# Altium PCB UAI.PcbDoc (part 1 of 2) (continued)
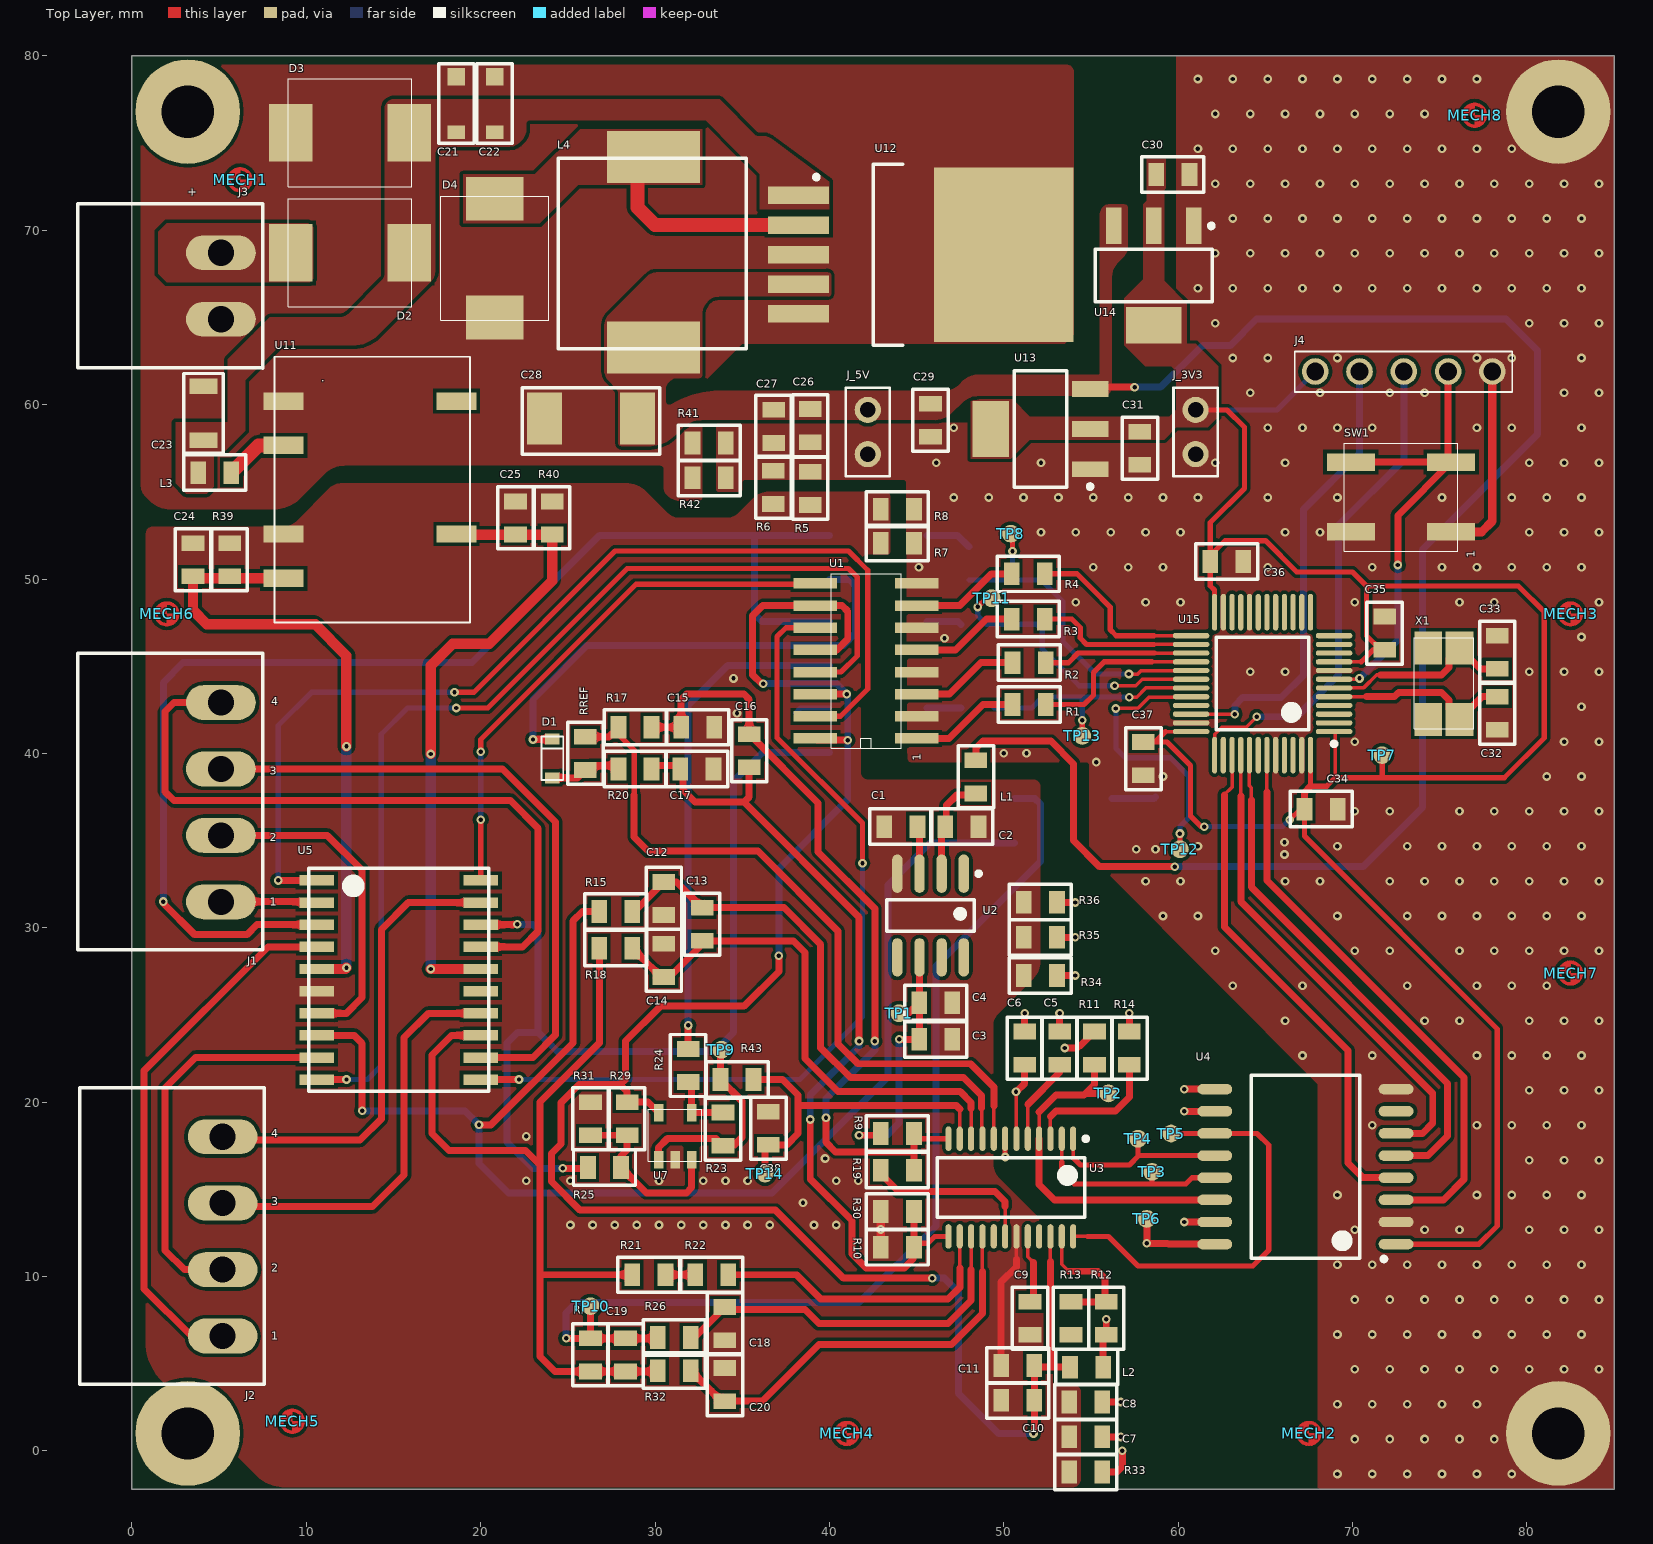
[diagram p0: Top Layer view]
## Part data (continued)
J1 J2: "Terminal Block 4 Pin"
J3: library part "Conn 2 Pin 3.81mm", "TERM BLOCK HDR 2POS R/A 3.81MM", Color=Green, Current - IEC=8A, Manufacturer="Phoenix Contact", Manufacturer Part Number=1803277, Operating Temperature=-, Supplier Part Number 1=277-1206-ND, Voltage - IEC=250V, Voltage - UL=300V, Category="Connectors, Interconnects", ComponentLink1Description=http://media.digikey.com/pdf/Data%20Sheets/Phoenix%20Contact%20PDFs/1803277.pdf, ComponentLink1URL=http://media.digikey.com/pdf/Data%20Sheets/Phoenix%20Contact%20PDFs/1803277.pdf, Contact Mating Finish=Tin, Current - UL=8A, Features=-, Header Orientation="90°, Right Angle", Mounting Type="Through Hole", Number of Levels=1, Number of Positions=2, Packaging=Bulk, Pitch="0.150\" (3.81mm)", Plug Wire Entry=-, Positions Per Level=2, Pricing 1="1=0.75, 10=0.716, 50=0.6844, 100=0.6658, 250=0.6222, 500=0.57242, 1000=0.5185, 2500=0.4941, 5000=0.4636 (USD)", RoHS="RoHS Compliant", Stock 1=4266, Supplier 1=Digi-Key, Termination Style=Solder, Type="Header, Male Pins, Shrouded (4 Side)", Wire Gauge or Range - AWG=-, Wire Gauge or Range - mm²=-
J4: library part "CON-Header 1X5 2.54MM", "Header 1X5 2.54"
J_3V3 J_5V: library part Jumper, "2 Pos. 2.54 mm Single Row Through Hole Straight Pin Header", Manufacturer="ADAM TECH", Distributor=Future, PartName=PH1-02-TA-HT, PartNum=PH1-02-TA-HT, Price="0.02 Euro", Price50="0.02 Euro", Price100="0.02 Euro", Price1000="0.02 Euro"
L1 L2: library part "L-220 Ohm,2A", Case/Package=0805, Case Code (Metric)=2012, Current Rating=2, Manufacturer=Murata, Manufacturer Part Number=BLM21PG221SN1D, Max Operating Temperature=125, Min Operating Temperature=-55, Package Quantity=1, Resistance=50, Supplier Part Number 1=490-1054-1-ND, Tolerance=25, Case Code (Imperial)=0805, Core Material=Ferrite, Height=0.85, Impedance="220 Ohms", Length=2, Max Current Rating=2, Mount="Surface Mount", Packaging="Tape and Reel", Pricing 1="1=0.11, 10=0.09, 50=0.0732, 100=0.0537, 250=0.0391, 500=0.0358, 1000=0.0309 (USD)", Radiation Hardening=No, REACH SVHC="No SVHC", Stock 1=423629, Supplier 1=Digikey, Width=1.25
L3: library part L-6.8UH,550mA,0805, "FIXED IND 6.8UH 550MA 250 MOHM", Current - Saturation=110mA, Current Rating=550mA, DC Resistance (DCR)="250 mOhm", Frequency - Self Resonant=60MHz, Frequency - Test=2MHz, Inductance=6.8µH, Manufacturer="TDK Corporation", Manufacturer Part Number=MLZ2012N6R8LT000, Operating Temperature="-55°C ~ 125°C", Package / Case="0805 (2012 Metric)", Q @ Freq=-, Supplier Part Number 1=445-6761-6-ND, Tolerance=±20%, Category="Inductors, Coils, Chokes", ComponentLink1Description=https://product.tdk.com/info/en/catalog/datasheets/inductor_commercial_decoupling_mlz2012_en.pdf, ComponentLink1URL=https://product.tdk.com/info/en/catalog/datasheets/inductor_commercial_decoupling_mlz2012_en.pdf, Height - Seated (Max)="0.057\" (1.45mm)", Material - Core=Ferrite, Mounting Type="Surface Mount", Packaging=Digi-Reel®, Part Status=Active, Pricing 1="1=0.14, 10=0.125, 50=0.0976, 100=0.0875, 500=0.075, 1000=0.065 (USD)", Ratings=-, RoHS="RoHS Compliant", Shielding=Shielded, Size / Dimension="0.079\" L x 0.049\" W (2.00mm x 1.25mm)", Stock 1=11951, Supplier 1=Digi-Key, Type=Multilayer
L4: "FIXED IND 33UH 2.5A 79 MOHM SMD", Current - Saturation=2.9A, Current Rating=2.5A, DC Resistance (DCR)="79 mOhm Max", Frequency - Self Resonant=11.1MHz, Frequency - Test=100kHz, Inductance=33µH, Manufacturer="Wurth Electronics Inc", Manufacturer Part Number=7447714330, Operating Temperature="-40°C ~ 125°C", Package / Case=Nonstandard, Q @ Freq=-, Supplier Part Number 1=732-2993-1-ND, Tolerance=±20%, Category="Inductors, Coils, Chokes", ComponentLink1Description=http://katalog.we-online.de/pbs/datasheet/7447714330.pdf, ComponentLink1URL=http://katalog.we-online.de/pbs/datasheet/7447714330.pdf, Height - Seated (Max)="0.197\" (5.00mm)", Material - Core=Ferrite, Mounting Type="Surface Mount", Packaging="Cut Tape (CT)", Pricing 1="1=2.76, 10=2.415, 50=2.2424, 100=2.1562, 250=2.07 (USD)", Ratings=-, RoHS="RoHS Compliant", Shielding=Shielded, Size / Dimension="0.394\" L x 0.394\" W (10.00mm x 10.00mm)", Stock 1=137, Supplier 1=Digi-Key, Type=Wirewound
MECH1 MECH2 MECH3 MECH4 MECH5 MECH6 MECH7 MECH8: "Fidicuals"
R1 R2 R3 R4: library part R-270R,0805, "TE CONNECTIVITY / NEOHM 270R Thin Film", Manufacturer="TE CONNECTIVITY / NEOHM", Manufacturer Part Number=CPF0805B270RE1, Operating Temperature Max=155, Operating Temperature Min=-55, Operating Temperature Range="-55°C to +155", Power Rating=100, Resistance="270 Ohms", Resistance Tolerance="± 0.1%", Resistor Case Style="0805 [2012 Metric]", Resistor Element Material="Thin Film", Resistor Mounting=SMD, Supplier Part Number 1=1697424, Temperature Coefficient="± 25", Voltage Rating=200, ComponentLink1Description=http://www.tycoelectronics.com/commerce/DocumentDelivery/DDEController?Action=srchrtrv&DocNm=1614884&DocType=Customer+Drawing&DocLang=English, ComponentLink1URL=http://www.tycoelectronics.com/commerce/DocumentDelivery/DDEController?Action=srchrtrv&DocNm=1614884&DocType=Customer+Drawing&DocLang=English, ComponentLink2Description=http://www.tycoelectronics.com/commerce/DocumentDelivery/DDEController?Action=srchrtrv&DocNm=1773200&DocType=Data+Sheet&DocLang=English, ComponentLink2URL=http://www.tycoelectronics.com/commerce/DocumentDelivery/DDEController?Action=srchrtrv&DocNm=1773200&DocType=Data+Sheet&DocLang=English, External Depth=0.5, External Length / Height=2, External Width=1.25, MSL=-, No. of Pins=2, Packaging="Cut Tape", Pricing 1="10=0,43, 50=0,34, 100=0,32, 500=0,27, 1000=0,24 (EUR)", Product Range="TE CONNECTIVITY - CPF Series", RoHS=YES, Series="CPF<!--FANDB--><div class=\"features-and-benefits-container\"></div>", Stock 1=755, Supplier 1=Farnell
R5 R6 R7 R8 R9 R10 R13 R14 R19 R21 R30 R33 R34 R35 R36 R41 R42: library part R-0R,0805, "BOURNS - CR0805-J/-000ELF - RESISTOR, 0805, 0R, 5%, 1/8W", Manufacturer=BOURNS, Manufacturer Part Number=CR0805-J/-000ELF, Power Rating=125, Resistance Tolerance="± 5%", Resistor Case Style="0805 [2012 Metric]", Resistor Element Material="Thick Film", Resistor Mounting="SMD<!--FANDB--><div class=\"features-and-benefits-container\"></div>", Supplier Part Number 1=2008388RL, Temperature Coefficient="-250ppm/°C to +500", Voltage Rating=150, ComponentLink1Description=http://www.farnell.com/datasheets/1845293.pdf, ComponentLink1URL=http://www.farnell.com/datasheets/1845293.pdf, MSL="MSL 1 - Unlimited", Packaging="Cut Tape", Pricing 1="50=0,0234, 250=0,0208, 1000=0,0182, 5000=0,0143, 10000=0,0104 (EUR)", Product Range="BOURNS - CR Series", Resistance=0R, RoHS=YES, Stock 1=20931, Supplier 1=Farnell, Supplier 2=Farnell, Supplier 3=Newark, Supplier Part Number 3=66F5622, SVHC="No SVHC (16-Jun-2014)"
R11 R12: "RES SMD 10K OHM 1% 1/8W 0805", Manufacturer=Yageo, Manufacturer Part Number=RC0805FR-0710KL, Operating Temperature="-55°C ~ 155°C", Package / Case="0805 (2012 Metric)", Power (Watts)="0.125W, 1/8W", Resistance (Ohms)=10k, Supplier Device Package=0805, Supplier Part Number 1=311-10.0KCRCT-ND, Temperature Coefficient=±100ppm/°C, Tolerance=±1%, Category=Resistors, ComponentLink1Description=http://www.yageo.com/documents/recent/PYu-RC_Group_51_RoHS_L_04.pdf, ComponentLink1URL=http://www.yageo.com/documents/recent/PYu-RC_Group_51_RoHS_L_04.pdf, Composition="Thick Film", Features="Moisture Resistant", Height="0.024\" (0.60mm)", Number of Terminations=2, Packaging="Cut Tape (CT)", Pricing 1="1=0.1, 10=0.021, 25=0.0152, 100=0.0084, 250=0.00644, 500=0.00514, 1000=0.00379, 2500=0.00329 (USD)", RoHS="RoHS Compliant", Size / Dimension="0.079\" L x 0.049\" W (2.00mm x 1.25mm)", Stock 1=4020575, Supplier 1=Digi-Key
R15 R17 R18 R20 R22 R26 R32 R38: library part R-3K,0805, "RES SMD 3K OHM 0.1% 1/10W 0805", Manufacturer="TE Connectivity AMP Connectors", Operating Temperature="-55°C ~ 155°C", Package / Case="0805 (2012 Metric)", Power (Watts)="0.1W, 1/10W", Resistance (Ohms)=3k, Supplier Device Package=0805, Supplier Part Number 1=A124098TR-ND, Temperature Coefficient=±25ppm/°C, Tolerance=±0.1%, Category=Resistors, ComponentLink1Description=http://www.te.com/commerce/DocumentDelivery/DDEController?Action=srchrtrv&DocNm=1773200-1&DocType=DS&DocLang=English, ComponentLink1URL=http://www.te.com/commerce/DocumentDelivery/DDEController?Action=srchrtrv&DocNm=1773200-1&DocType=DS&DocLang=English, Composition="Thin Film", Features="Automotive AEC-Q200", Height="0.026\" (0.65mm)", Manufacturer Part Number=CPF-A-0805B3K0E, Number of Terminations=2, Packaging="Tape & Reel (TR)", Pricing 1="5000=0.09556, 10000=0.09161, 25000=0.08981, 50000=0.08895, 125000=0.08802 (USD)", RoHS="RoHS Compliant", Size / Dimension="0.079\" L x 0.049\" W (2.00mm x 1.25mm)", Stock 1=5000, Supplier 1=Digi-Key
R16 R27 R28 R37: library part R-100R,0805, "RES 100 OHM 1/8W 1% 0805 SMD", Manufacturer="Rohm Semiconductor", Manufacturer Part Number=MCR10ERTF1000, Package / Case="0805 (2012 Metric)", Power (Watts)="0.125W, 1/8W", Resistance (Ohms)="100 Ohms", Supplier Part Number 1=RHM100CHCT-ND, Temperature Coefficient=±100ppm/°C, Tolerance=±1%, Category=Resistors, ComponentLink1Description=http://rohmfs.rohm.com/en/products/databook/datasheet/passive/resistor/chip_resistor/mcr_g.pdf, ComponentLink1URL=http://rohmfs.rohm.com/en/products/databook/datasheet/passive/resistor/chip_resistor/mcr_g.pdf, Composition="Thick Film", Features=-, Height="0.024\" (0.60mm)", Number of Terminations=2, Packaging="Cut Tape (CT)", Pricing 1="1=0.1, 10=0.027, 25=0.0196, 100=0.0109, 250=0.00832, 500=0.00666, 1000=0.0049 (USD)", RoHS="RoHS Compliant", Size / Dimension="0.079\" L x 0.049\" W (2.00mm x 1.25mm)", Stock 1=27803, Supplier 1=Digi-Key, Supplier Device Package="0805 (2012 Metric)"
R23 R29 R31: library part R-15k,0805, "RES SMD 15K OHM 5% 1/8W 0805", Manufacturer=Yageo, Manufacturer Part Number=RC0805JR-0715KL, Operating Temperature="-55°C ~ 155°C", Package / Case="0805 (2012 Metric)", Power (Watts)="0.125W, 1/8W", Resistance (Ohms)=15k, Supplier Device Package=0805, Supplier Part Number 1=311-15KARCT-ND, Temperature Coefficient=±100ppm/°C, Tolerance=±5%, Category=Resistors, ComponentLink1Description=http://www.yageo.com/documents/recent/PYu-RC_Group_51_RoHS_L_04.pdf, ComponentLink1URL=http://www.yageo.com/documents/recent/PYu-RC_Group_51_RoHS_L_04.pdf, Composition="Thick Film", Features="Moisture Resistant", Height="0.024\" (0.60mm)", Number of Terminations=2, Packaging="Cut Tape (CT)", Pricing 1="1=0.1, 10=0.018, 25=0.0128, 100=0.0073, 250=0.00556, 500=0.00444, 1000=0.00326, 2500=0.00283 (USD)", RoHS="RoHS Compliant", Size / Dimension="0.079\" L x 0.049\" W (2.00mm x 1.25mm)", Stock 1=97321, Supplier 1=Digi-Key
R24 R25: library part R-68k,0805, "RES SMD 68K OHM 1% 1/8W 0805", Manufacturer="Samsung Electro-Mechanics America, Inc.", Manufacturer Part Number=RC2012F683CS, Operating Temperature="-55°C ~ 155°C", Package / Case="0805 (2012 Metric)", Power (Watts)="0.125W, 1/8W", Resistance (Ohms)=68k, Supplier Device Package=0805, Supplier Part Number 1=1276-5386-2-ND, Temperature Coefficient=±100ppm/°C, Tolerance=±1%, Category=Resistors, ComponentLink1Description=http://media.digikey.com/pdf/Data%20Sheets/Samsung%20PDFs/RC_Series_ds.pdf, ComponentLink1URL=http://media.digikey.com/pdf/Data%20Sheets/Samsung%20PDFs/RC_Series_ds.pdf, Composition="Thick Film", Failure Rate=-, Features="Moisture Resistant", Height - Seated (Max)="0.026\" (0.65mm)", Number of Terminations=2, Packaging="Tape & Reel (TR)", Part Status=Active, Pricing 1="5000=0.00473, 10000=0.00411, 25000=0.00361, 50000=0.00339 (USD)", RoHS="RoHS Compliant", Size / Dimension="0.079\" L x 0.049\" W (2.00mm x 1.25mm)", Stock 1=80000, Supplier 1=Digi-Key
R39 R40: library part R-3.3K,0805, "RES SMD 3.3K OHM 5% 1/8W 0805", Manufacturer=Yageo, Manufacturer Part Number=RC0805JR-073K3L, Operating Temperature="-55°C ~ 155°C", Package / Case="0805 (2012 Metric)", Power (Watts)="0.125W, 1/8W", Resistance (Ohms)=3.3k, Supplier Device Package=0805, Supplier Part Number 1=311-3.3KARDKR-ND, Temperature Coefficient=±100ppm/°C, Tolerance=±5%, Category=Resistors, ComponentLink1Description=http://www.yageo.com/documents/recent/PYu-RC_Group_51_RoHS_L_04.pdf, ComponentLink1URL=http://www.yageo.com/documents/recent/PYu-RC_Group_51_RoHS_L_04.pdf, Composition="Thick Film", Features="Moisture Resistant", Height="0.024\" (0.60mm)", Number of Terminations=2, Packaging=Digi-Reel®, Pricing 1="1=0.1, 10=0.018, 25=0.0128, 100=0.0073, 250=0.00556, 500=0.00444, 1000=0.00326, 2500=0.00283 (USD)", RoHS="RoHS Compliant", Size / Dimension="0.079\" L x 0.049\" W (2.00mm x 1.25mm)", Stock 1=439567, Supplier 1=Digi-Key
R43: library part R-1.5K,%1,0805, "RES SMD 1.5K OHM 1% 1/8W 0805", Manufacturer=Yageo, Manufacturer Part Number=RC0805FR-071K5L, Operating Temperature="-55°C ~ 155°C", Package / Case="0805 (2012 Metric)", Power (Watts)="0.125W, 1/8W", Resistance (Ohms)=1.5k, Supplier Device Package=0805, Supplier Part Number 1=311-1.50KCRDKR-ND, Temperature Coefficient=±100ppm/°C, Tolerance=±1%, Category=Resistors, ComponentLink1Description=http://www.yageo.com/documents/recent/PYu-RC_Group_51_RoHS_L_04.pdf, ComponentLink1URL=http://www.yageo.com/documents/recent/PYu-RC_Group_51_RoHS_L_04.pdf, ComponentLink2Description=http://www.vishay.com/docs/20035/dcrcwe3.pdf, ComponentLink2URL=http://www.vishay.com/docs/20035/dcrcwe3.pdf, Composition="Thick Film", Failure Rate=-, Features="Moisture Resistant", Height="0.024\" (0.60mm)", Number of Terminations=2, Packaging=Digi-Reel®, Part Status=Active, Pricing 1="1=0.1, 10=0.021, 25=0.0152, 100=0.0084, 250=0.00644, 500=0.00514, 1000=0.00379, 2500=0.00329 (USD)", Pricing 2="1=0.1, 10=0.054, 25=0.0392, 50=0.03, 100=0.0221, 250=0.01684, 500=0.01346, 1000=0.00991, 2500=0.0086 (USD)", RoHS="RoHS Compliant", Size / Dimension="0.079\" L x 0.049\" W (2.00mm x 1.25mm)", Stock 1=815764, Stock 2=28544, Supplier 1=Digi-Key, Supplier 2=Digi-Key
RI: library part R-150R,0805, "TE CONNECTIVITY / NEOHM - CPF0805B150RE1 - RESISTOR, 0805, 150R", Manufacturer="TE CONNECTIVITY / NEOHM", Manufacturer Part Number=CPF0805B150RE1, Operating Temperature Max=155, Operating Temperature Min=-55, Operating Temperature Range="-55°C to +155", Power Rating=100, Resistance Tolerance="± 0.1%", Resistor Case Style="0805 [2012 Metric]", Resistor Element Material="Thin Film", Resistor Mounting=SMD, Supplier Part Number 1=1697421RL, Temperature Coefficient="± 25", Voltage Rating=200, ComponentLink1Description=http://www.tycoelectronics.com/commerce/DocumentDelivery/DDEController?Action=srchrtrv&DocNm=1614884&DocType=Customer+Drawing&DocLang=English, ComponentLink1URL=http://www.tycoelectronics.com/commerce/DocumentDelivery/DDEController?Action=srchrtrv&DocNm=1614884&DocType=Customer+Drawing&DocLang=English, ComponentLink2Description=http://www.tycoelectronics.com/commerce/DocumentDelivery/DDEController?Action=srchrtrv&DocNm=1773200&DocType=Data+Sheet&DocLang=English, ComponentLink2URL=http://www.tycoelectronics.com/commerce/DocumentDelivery/DDEController?Action=srchrtrv&DocNm=1773200&DocType=Data+Sheet&DocLang=English, External Depth=0.5, External Length / Height=2, External Width=1.25, MSL=-, No. of Pins=2, Packaging="Cut Tape", Pricing 1="10=0,429, 50=0,338, 100=0,324, 500=0,269, 1000=0,235 (EUR)", Product Range="TE CONNECTIVITY - CPF Series", Resistance="150 Ohms", RoHS=YES, Series="CPF<!--FANDB--><div class=\"features-and-benefits-container\"></div>", Stock 1=749, Supplier 1=Farnell
RREF: library part R-3.92K,%1,0805, "RES SMD 3.92KOHM 0.1% 1/10W 0805", Manufacturer="TE Connectivity AMP Connectors", Operating Temperature="-55°C ~ 155°C", Package / Case="0805 (2012 Metric)", Power (Watts)="0.1W, 1/10W", Resistance (Ohms)=3.92k, Supplier Device Package=0805, Supplier Part Number 1=A119990CT-ND, Temperature Coefficient=±10ppm/°C, Tolerance=±0.1%, Category=Resistors, ComponentLink1Description=http://media.digikey.com/pdf/Data%20Sheets/Tyco%20Electonics%20AMP%20PDFs/RN73_Series_2011.pdf, ComponentLink1URL=http://media.digikey.com/pdf/Data%20Sheets/Tyco%20Electonics%20AMP%20PDFs/RN73_Series_2011.pdf, Composition="Thin Film", Features=-, Height="0.026\" (0.65mm)", Manufacturer Part Number=RN73C2A3K92BTD, Number of Terminations=2, Packaging="Cut Tape (CT)", Part Status=Active, Pricing 1="1=0.74, 10=0.621, 25=0.532, 50=0.4788, 100=0.4168, 250=0.37248, 500=0.30152, 1000=0.24388, 2500=0.2359 (USD)", RoHS="RoHS Compliant", Size / Dimension="0.079\" L x 0.049\" W (2.00mm x 1.25mm)", Stock 1=8776, Supplier 1=Digi-Key
SW1: "Switch Push Button tactile", Mfr=Omron, MfrNum=B3SL-1022P, PartName=SwitchPushMomTactilesmd, TIIntPartnumber=2W0018, Cost10K=0.25, Cost100=0.340, Descriptive_Text="Switch Push Button tactile", DescriptiveText="Switch Push Button tactile", Vendor=Digikey
TP1 TP2 TP3 TP4 TP5 TP6 TP7 TP8 TP9 TP10 TP11 TP12 TP13 TP14: library part Testpoint_SMD1mmCircle, "Testpoint SMD", Mfr=N/A, PartName=TestpointSMD1mmCircle, TIIntPartnumber=2H0046, Cost10K=0, Cost100=0, Descriptive_Text="Testpoint SMD 1mm circle pad", DescriptiveText="Testpoint SMD 1mm circle pad", MfrNum=N/A, Vendor=N/A
U1: "NEC - PS2801C-4-F3-A - OPTOCOUPLER, 4X TR O/P, SSOP-16", Supplier Part Number 1=1682862, Supplier 1=Farnell
U2: library part IC-AD780ARZ, "IC VREF SERIES/SHUNT PROG 8SOIC", Current - Cathode=1mA, Current - Output=10mA, Manufacturer="Analog Devices Inc.", Manufacturer Part Number=AD780ARZ-REEL7, Operating Temperature="-40°C ~ 85°C (TA)", Package / Case="8-SOIC (0.154\", 3.90mm Width)", Supplier Device Package=8-SOIC, Supplier Part Number 1=AD780ARZ-REEL7CT-ND, Temperature Coefficient=7ppm/°C, Tolerance="±0.2%, ±0.17%", Voltage - Input="4 V ~ 36 V", Voltage - Output (Max)=-, Voltage - Output (Min/Fixed)="±2.5V, ±3V", Category="Integrated Circuits (ICs)", ComponentLink1Description=http://www.analog.com/media/en/technical-documentation/data-sheets/AD780.pdf, ComponentLink1URL=http://www.analog.com/media/en/technical-documentation/data-sheets/AD780.pdf, Current - Supply=1mA, Mounting Type="Surface Mount", Noise - 0.1Hz to 10Hz=4µVp-p, Noise - 10Hz to 10kHz=-, Output Type=Programmable, Packaging="Cut Tape (CT)", Pricing 1="1=10.53, 10=9.545, 100=7.8685, 500=6.8796 (USD)", Reference Type="Series, Shunt", RoHS="RoHS Compliant", Stock 1=1014, Supplier 1=Digi-Key
U3: library part IC-AD7124-4BCPZ, "IC ADC 24BIT 4CH TSSOP", Manufacturer="Analog Devices Inc.", Operating Temperature="-40°C ~ 105°C", Package / Case="32-WFQFN Exposed Pad, CSP", Supplier Device Package="32-LFCSP-WQ (5x5)", Voltage - Supply, Analog="±1.8V, 2.7 V ~ 3.6 V", Voltage - Supply, Digital="1.65 V ~ 3.6 V", Architecture=Sigma-Delta, Category="Integrated Circuits (ICs)", ComponentLink1Description=http://www.analog.com/media/en/technical-documentation/data-sheets/AD7124-4.pdf, ComponentLink1URL=http://www.analog.com/media/en/technical-documentation/data-sheets/AD7124-4.pdf, Configuration=MUX-PGA-ADC, Data Interface=SPI, Features="PGA, Temperature Sensor", Input Type="Differential, Single Ended", Manufacturer Part Number=AD7124-4BCPZ, Number of A/D Converters=1, Number of Bits=24, Number of Inputs="4, 7", Packaging=Tray, Part Status=Active, Pricing 1="1=10.3, 10=9.307, 100=7.7056, 500=6.70996, 1000=5.84415, 2500=5.6277, 5000=5.41125 (USD)", Pricing 2="1=10.3, 62=8.87452, 124=7.70565, 558=6.70995, 1054=5.84415, 2542=5.6277, 5000=5.41125 (USD)", Ratio - S/H:ADC=-, Reference Type="External, Internal", RoHS="RoHS Compliant", Sampling Rate (Per Second)=19.2k, Stock 1=46, Stock 2=146, Supplier 1=Digi-Key, Supplier 2=Digi-Key, Supplier Part Number 2=AD7124-4BRUZ-ND
U4: library part IC-ADUM5401, "DGTL ISO 2.5KV GEN PURP 16SOIC", Isolated Power=Yes, Manufacturer="Analog Devices Inc.", Operating Temperature="-40°C ~ 105°C", Package / Case="16-SOIC (0.295\", 7.50mm Width)", Supplier Device Package=16-SOIC, Supplier Part Number 1=ADUM5401ARWZ-RLCT-ND, Voltage - Isolation=2500Vrms, Voltage - Supply="3 V ~ 5.5 V", Category=Isolators, Channel Type=Unidirectional, Common Mode Transient Immunity (Min)=25kV/µs, ComponentLink1Description=http://www.analog.com/media/en/technical-documentation/data-sheets/ADuM5401_5402_5403_5404.pdf, ComponentLink1URL=http://www.analog.com/media/en/technical-documentation/data-sheets/ADuM5401_5402_5403_5404.pdf, Data Rate=1Mbps, Inputs - Side 1/Side 2=3/1, Manufacturer Part Number=ADUM5401ARWZ-RL, Number of Channels=4, Packaging="Cut Tape (CT)", Part Status=Active, Pricing 1="1=10.71, 10=9.818, 100=8.2883, 500=7.35092 (USD)", Propagation Delay tpLH / tpHL (Max)="100ns, 100ns", Pulse Width Distortion (Max)=40ns, Rise / Fall Time (Typ)="2.5ns, 2.5ns", RoHS="RoHS Compliant", Stock 1=2137, Supplier 1=Digi-Key, Technology="Magnetic Coupling", Type="General Purpose"
U5: library part IC-DG333ADW-E3, "IC SWITCH QUAD SPDT 20SOIC", Channel Capacitance (CS(off), CD(off))=8pF, Current - Leakage (IS(off)) (Max)=250pA, Manufacturer="Vishay Siliconix", Manufacturer Part Number=DG333ADW-E3, On-State Resistance (Max)="45 Ohm", Operating Temperature="-40°C ~ 85°C (TA)", Package / Case="20-SOIC (0.295\", 7.50mm Width)", Supplier Device Package=20-SOIC, Supplier Part Number 1=DG333ADW-E3-ND, Voltage - Supply, Dual (V±)="±4 V ~ 22 V", Voltage - Supply, Single (V+)="5 V ~ 40 V", -3db Bandwidth=-, Category="Integrated Circuits (ICs)", Channel-to-Channel Matching (&Delta;Ron)="2 Ohm (Max)", Charge Injection=10pC, ComponentLink1Description=http://www.vishay.com/docs/70803/dg333a.pdf, ComponentLink1URL=http://www.vishay.com/docs/70803/dg333a.pdf, Crosstalk="-80dB @ 1MHz", Multiplexer/Demultiplexer Circuit=2:1, Number of Circuits=1, Packaging=Tube, Part Status=Active, Pricing 1="1=4.77, 10=4.284, 25=4.05, 100=3.51, 250=3.33, 500=2.988, 1000=2.52, 2500=2.394, 5000=2.304 (USD)", RoHS="RoHS Compliant", Stock 1=509, Supplier 1=Digi-Key, Switch Circuit=SPDT, Switch Time (Ton, Toff) (Max)="175ns, 145ns"
U6 U8 U9 U10: library part IC-AQY282SX, "RELAY OPTO AC/DC 60V 500MA 4-SOP", Load Current=500mA, Manufacturer="Panasonic Electric Works", On-State Resistance (Max)="2.5 Ohm", Package / Case="4-SOP (0.173\", 4.40mm)", Supplier Device Package=4-SOP, Supplier Part Number 1=255-3393-2-ND, Voltage - Input=1.14VDC, Voltage - Load="0 ~ 60 V", Category=Relays, Circuit="SPST-NO (1 Form A)", ComponentLink1Description=http://media.digikey.com/pdf/Data%20Sheets/Panasonic%20Electric%20Works%20PDFs/AQW,AQY280,282,284.pdf, ComponentLink1URL=http://media.digikey.com/pdf/Data%20Sheets/Panasonic%20Electric%20Works%20PDFs/AQW,AQY280,282,284.pdf, Manufacturer Part Number=AQY282SX, Mounting Type="Surface Mount", Output Type="AC, DC", Packaging="Tape & Reel (TR)", Part Status=Active, Pricing 1="1000=0.924, 3000=0.9075, 5000=0.891, 10000=0.8778 (USD)", Relay Type=Relay, RoHS="RoHS Compliant", Stock 1=28000, Supplier 1=Digi-Key, Termination Style="Gull Wing"
U7: library part IC-TLV316IDBVT, "IC OP AMP CMOS RR 10MHZ SOT-23", Manufacturer="Texas Instruments (TI)", Supplier Part Number 1=296-43939-1-ND, Manufacturer Part Number=TLV316IDBVT, Pricing 1="1=0.91, 10=0.799, 100=0.611 (USD)", Stock=1004, Supplier 1=Digikey
U11: library part IC-ISA2415, "DC/DC CONV 1W SMD DUAL OUT", Current - Output (Max)="33mA, 33mA", Manufacturer="XP Power", Manufacturer Part Number=ISA2415, Operating Temperature="-40°C ~ 105°C", Package / Case="10-SMD Module (6 Leads)", Power (Watts) - Manufacture Series=1W, Supplier Part Number 1=1470-2970-5-ND, Voltage - Input (Max)=26.4V, Voltage - Input (Min)=21.6V, Voltage - Isolation="1.5kV (1500V)", Voltage - Output 1=15V, Voltage - Output 2=-15V, Voltage - Output 3=-, Applications="ITE (Commercial)", Category="Power Supplies - Board Mount", ComponentLink1Description=http://www.xppower.com/Portals/0/pdfs/SF_ISA.pdf, ComponentLink1URL=http://www.xppower.com/Portals/0/pdfs/SF_ISA.pdf, Efficiency=82%, Features=SCP, Mounting Type="Surface Mount", Number of Outputs=2, Packaging=Tube, Power (Watts) - Max=1W, Pricing 1="1=4.75, 5=4.61, 10=4.47, 25=4.28, 100=3.99, 500=3.71002 (USD)", RoHS="RoHS Compliant", Size / Dimension="0.60\" L x 0.33\" W x 0.29\" H (15.2mm x 8.3mm x 7.3mm)", Stock 1=223, Supplier 1=Digi-Key, Type="Isolated Module"
U12: "Voltage Regulators - Switching Regulators 150 KHZ 3A STEP-DOWN VLTG REG", Input Voltage MAX="40 V", Input Voltage MIN="4.5 V", Manufacturer="Texas Instruments", Manufacturer Part Number=LM2596SX-5.0/NOPB, Maximum Operating Temperature="+ 125 C", Minimum Operating Temperature="- 40 C", Operating Temperature Range="- 40 C to + 85 C", Output Current="3 A", Output Voltage="5 V", Package/Case=TO-263-5, Supplier Part Number 1=926-LM2596SX-5.0NOPB, Switching Frequency="173 kHz", Brand="Texas Instruments", Category="Voltage Regulators - Switching Regulators", ComponentLink1Description=http://www.mouser.com/ds/2/405/snvs124c-317006.pdf, ComponentLink1URL=http://www.mouser.com/ds/2/405/snvs124c-317006.pdf, Minimum Order Quantity=1, Mounting Style=SMD/SMT, Number of Outputs="1 Output", Packaging=Reel, Pricing 1="1=4.45, 10=3.98, 25=3.57, 50=3.42, 100=3.26, 250=2.94, 500=2.64, 1000=2.39, 1500=2.03 (USD)", Reeling=True, RoHS="RoHS Compliant", RoHS - Mouser=Y, Series=LM2596, Standard Pack Qty=500, Stock 1=1902, Supplier 1=Mouser, Topology=Buck, Type="Inverting, Step Down"
U13 U14: "IC REG LDO 3.3V 0.8A SOT223", Current - Limit (Min)=-, Current - Output=800mA, Manufacturer=STMicroelectronics, Manufacturer Part Number=LD1117S33TR, Operating Temperature="0°C ~ 125°C", Package / Case="TO-261-4, TO-261AA", Supplier Device Package=SOT-223, Supplier Part Number 1=497-1242-1-ND, Voltage - Dropout (Typical)="1.1V @ 800mA", Voltage - Input="Up to 15V", Voltage - Output=3.3V, Category="Integrated Circuits (ICs)", ComponentLink1Description=http://www.st.com/web/en/resource/technical/document/datasheet/CD00000544.pdf, ComponentLink1URL=http://www.st.com/web/en/resource/technical/document/datasheet/CD00000544.pdf, Mounting Type="Surface Mount", Number of Regulators=1, Packaging="Cut Tape (CT)", Pricing 1="1=0.46, 10=0.373, 100=0.2541, 500=0.1902, 1000=0.14245 (USD)", Regulator Topology="Positive Fixed", RoHS="RoHS Compliant", Stock 1=5854, Supplier 1=Digi-Key
U15: "IC MCU 32BIT 64KB FLASH 48LQFP", Manufacturer=STMicroelectronics, Manufacturer Part Number=STM32F101C8T6TR, Operating Temperature="-40°C ~ 85°C (TA)", Package / Case=48-LQFP, Supplier Device Package="48-LQFP (7x7)", Supplier Part Number 1=STM32F101C8T6TR-ND, Voltage - Supply (Vcc/Vdd)="2 V ~ 3.6 V", Category="Integrated Circuits (ICs)", ComponentLink1Description=http://www.st.com/content/ccc/resource/technical/document/datasheet/6b/28/4e/ce/a7/d3/42/8d/CD00161561.pdf/files/CD00161561.pdf/jcr:content/translations/en.CD00161561.pdf, ComponentLink1URL=http://www.st.com/content/ccc/resource/technical/document/datasheet/6b/28/4e/ce/a7/d3/42/8d/CD00161561.pdf/files/CD00161561.pdf/jcr:content/translations/en.CD00161561.pdf, Connectivity="I²C, IrDA, LIN, SPI, UART/USART", Core Processor="ARM® Cortex®-M3", Core Size=32-Bit, Data Converters="A/D 10x12b", EEPROM Size=-, Number of I/O=37, Oscillator Type=Internal, Packaging="Tape & Reel (TR)", Peripherals="DMA, PDR, POR, PVD, PWM, Temp Sensor, WDT", Pricing 1="2400=2.46449 (USD)", Program Memory Size="64KB (64K x 8)", Program Memory Type=FLASH, RAM Size="10K x 8", RoHS="RoHS Compliant", Speed=36MHz, Stock 1=0, Supplier 1=Digi-Key
X1: library part OSC-ABM7-8.000MHZ-D2Y-T, "CRYSTAL 8.0000MHZ 18PF SMD", ESR (Equivalent Series Resistance)="100 Ohm", Frequency=8MHz, Frequency Stability=±30ppm, Frequency Tolerance=±20ppm, Load Capacitance=18pF, Manufacturer="Abracon LLC", Manufacturer Part Number=ABM7-8.000MHZ-D2Y-T, Operating Mode=Fundamental, Operating Temperature="-40°C ~ 85°C", Package / Case="2-SMD, No Lead (DFN, LCC)", Ratings=-, Supplier Part Number 1=535-9831-1-ND, Category="Crystals and Oscillators", ComponentLink1Description=http://www.abracon.com/Resonators/abm7.pdf, ComponentLink1URL=http://www.abracon.com/Resonators/abm7.pdf, Height="0.055\" (1.40mm)", Mounting Type="Surface Mount", Packaging="Cut Tape (CT)", Pricing 1="1=0.76, 10=0.678, 50=0.6328, 100=0.56, 500=0.5292 (USD)", RoHS="RoHS Compliant", Size / Dimension="0.236\" L x 0.138\" W (6.00mm x 3.50mm)", Stock 1=111842, Supplier 1=Digi-Key, Type="MHz Crystal"

## Free pads (board coordinates)
  round 6 hole 3: 2(3.2,76.8) 2(3.2,1) 2(81.8,1) 2(81.8,76.8)

## Via types
v1: diameter 0.5, hole 0.25, Top Layer to Bottom Layer, 313 vias
v2: diameter 0.5, hole 0.25, Top Layer to Bottom Layer, tented both sides, 76 vias

## Nets (pads, with @x,y where several pads share a name; then routed paths per layer and width w, separated by ;. In a path a pad name is that pad's centre, name@x,y a point inside that pad or via, vN(x,y) a via of type N, cw(c..) or ccw(c..) an arc to the next point about the centre after c; other vN are vias at no path point)
1A: J1.1 U5.2 | length 5.6
  Top Layer w0.4: J1.1@5.1,31.485 5.115,31.5 10.6,31.5 U5.2@10.7,31.4
1B: J2.1 U5.4 | length 31
  Top Layer w0.4: J2.1@5.2,6.585 3.405,6.585 0.7,9.29 0.7,21.8 7.805,28.905 U5.4@10.6,28.905
2.5VREF: C3.2 C4.1 R9.2 TP1.1 U2.6 | length 16.6
  Top Layer w0.4: v2(41.7,18.1) 42.85,18.1 R9.2@42.95,18.2 ; v2(44,23.6) C3.2@45.15,23.6 ; TP1.1@44,25.1 44.55,25.1 C4.1@45.15,25.7 ; C3.2@45.15,23.4 45.165,23.415 U2.6@45.165,28.3 U2.6@45.165,28.8
  Bottom Layer w0.4: v2(41.7,18.1) 43.3,18.1 44,18.8 v2(44,23.6)
2A: J1.2 U5.7 | length 19.2
  Top Layer w0.4: J1.2@5.1,35.3 11.2,35.3 13.2,33.3 13.2,26 12.295,25.095 U5.7@10.6,25.095
2B: J2.2 U5.9 | length 22.5
  Top Layer w0.4: J2.2@5.2,10.395 3.005,10.395 1.9,11.5 1.9,20.8 3.655,22.555 U5.9@10.6,22.555